# Altium PCB Hat_Zero2SenseRunner.PcbDoc
Units mil, origin at the board's own origin, x right, y up, seen from the top; angles counter-clockwise.
Board outline 2082.83 x 2357.79 mil, 2 copper layers (Top Layer, Bottom Layer); 20 components, 24 nets, 136 pads, 13 vias.
Unrouted connection lines stored in the file: 65.
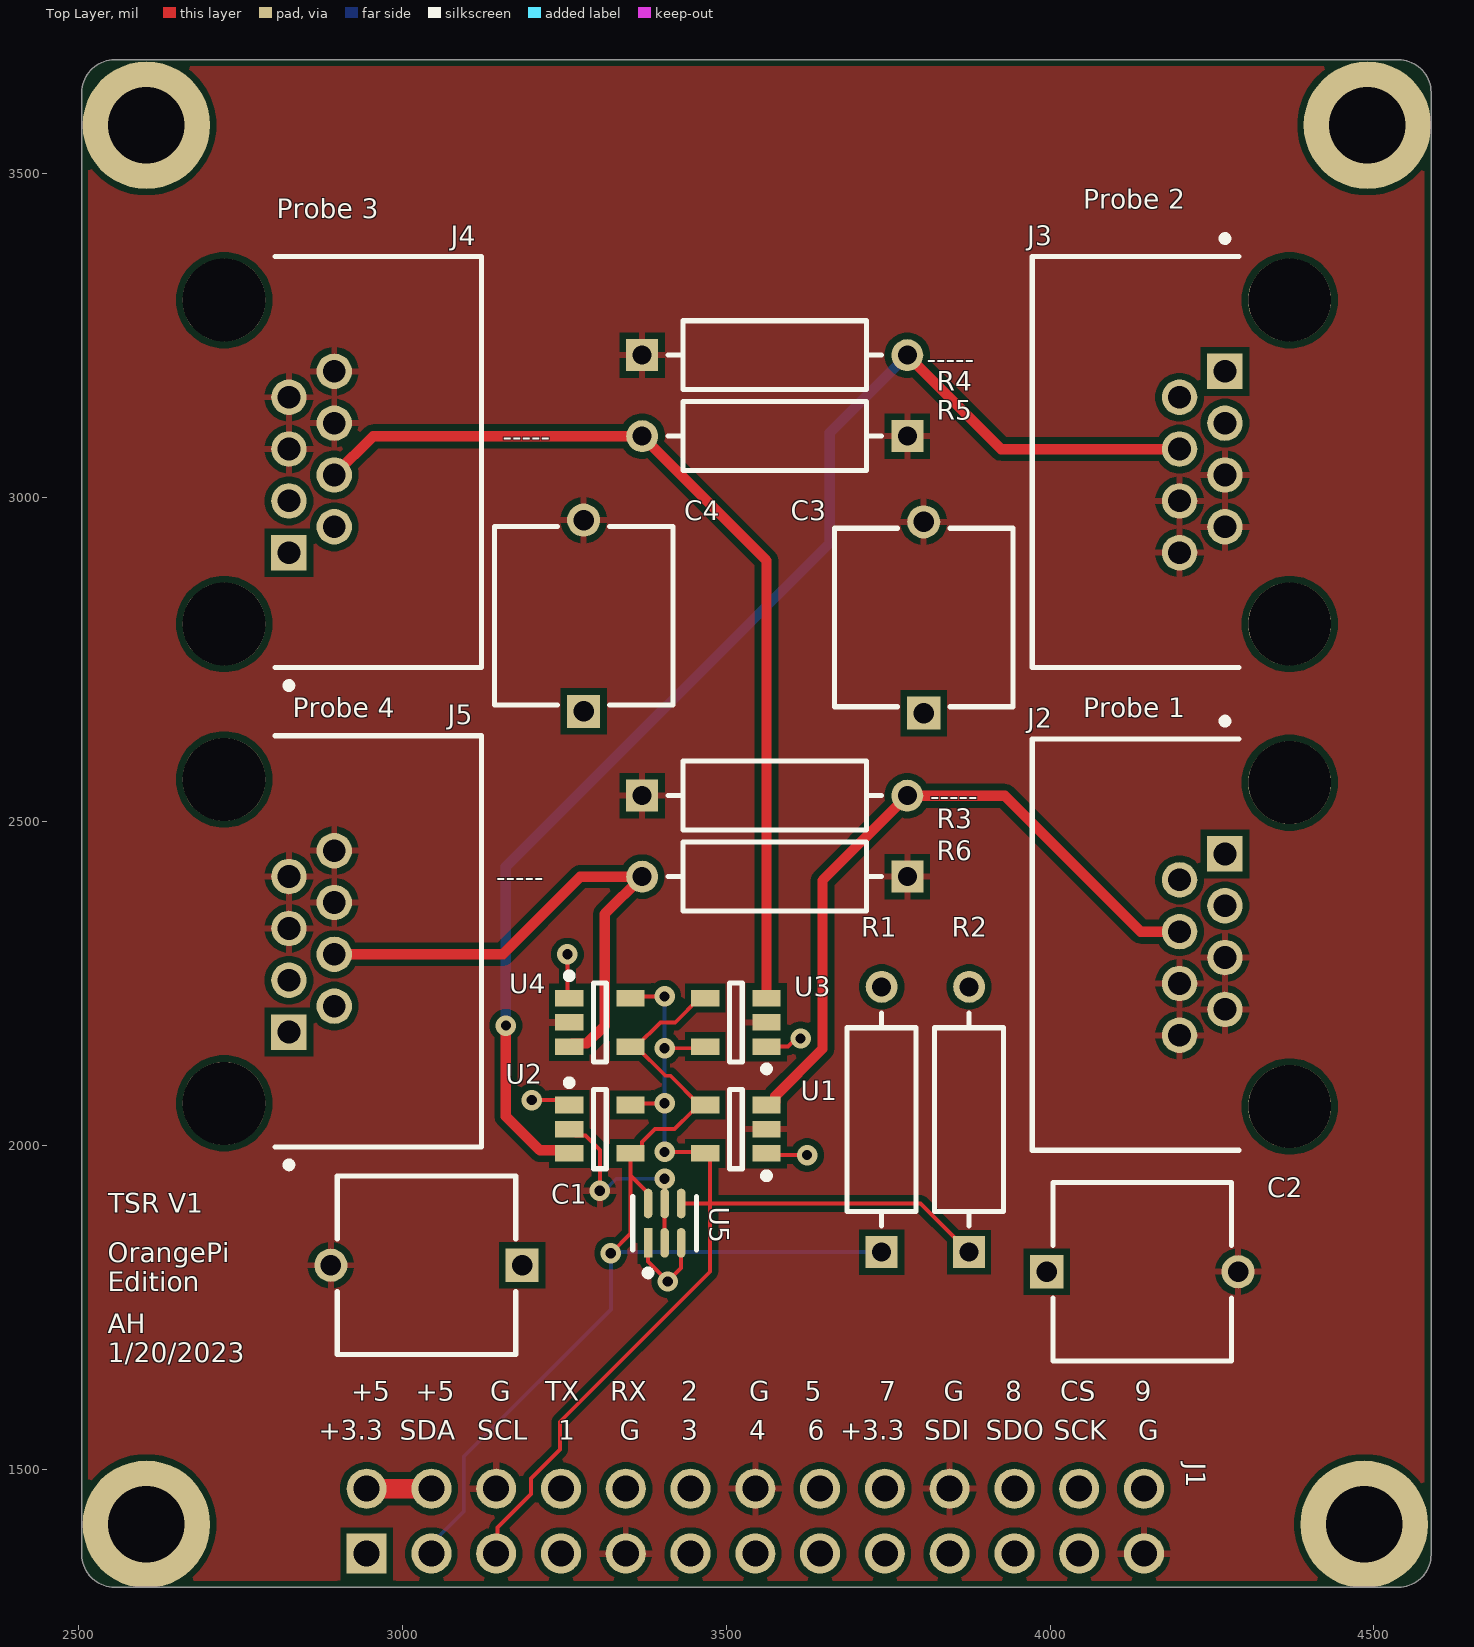
[diagram p0: Top Layer view]
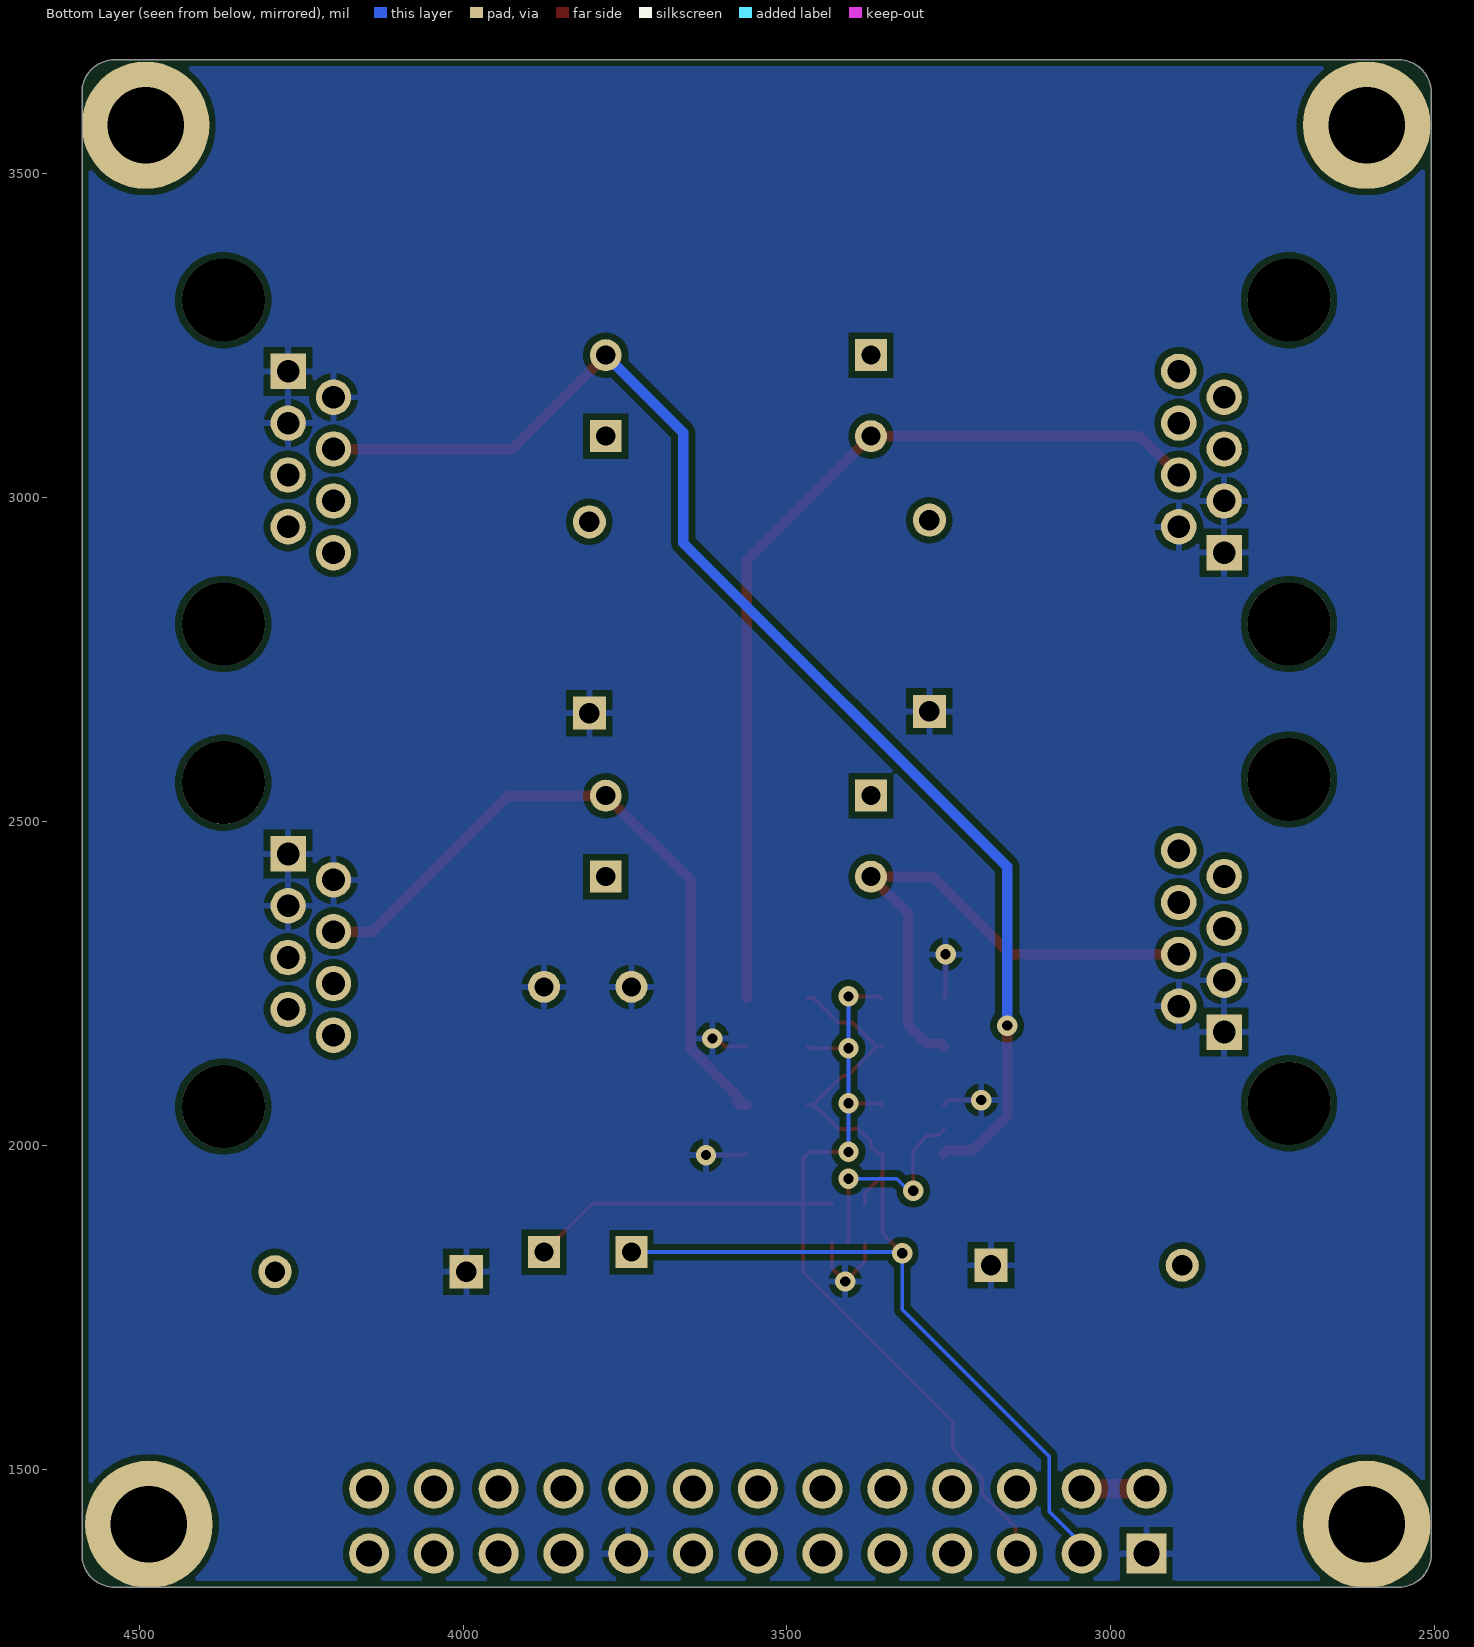
[diagram p1: Bottom Layer view, seen from below]
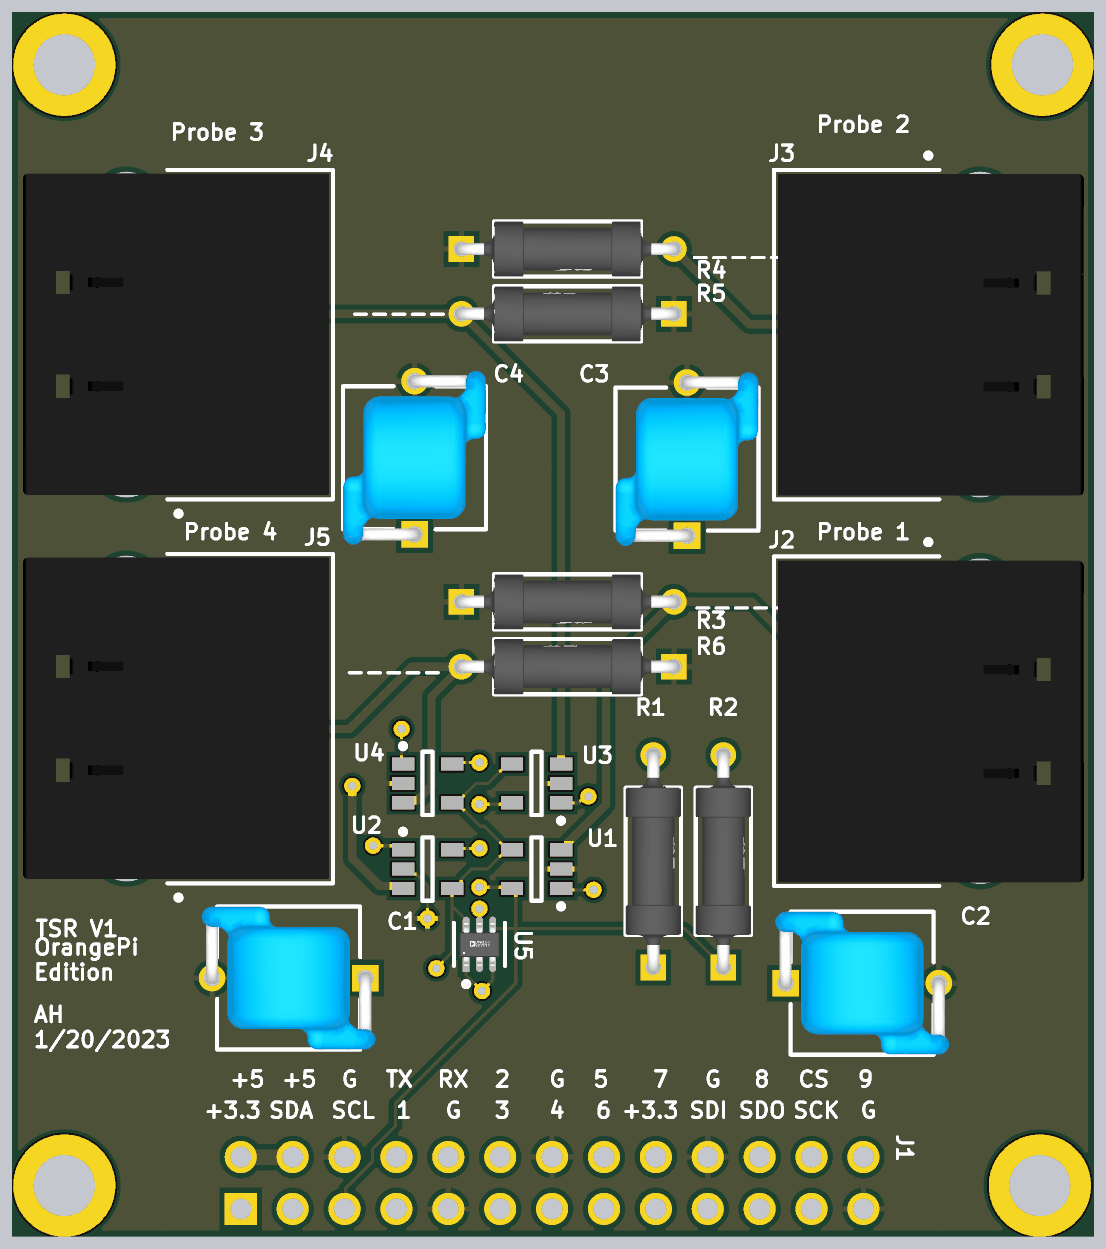
[diagram p2: 3D render of the assembled board from above, using the file's embedded part models]

## Layer stack, top to bottom
Top Solder: solder mask 0.4, Solder Resist, Dk 3.5
Top Layer: signal copper 1.4
Dielectric 1: dielectric 12.6, FR-4, Dk 4.8
Bottom Layer: signal copper 1.4
Bottom Solder: solder mask 0.4, Solder Resist, Dk 3.5

## Board outline
2505.4,1368.03 ccw(c2555.4,1368.03) 2555.4,1318.03 4538.23,1318.03 ccw(c4538.23,1368.03) 4588.23,1368.03 4588.23,3625.82 ccw(c4538.23,3625.82) 4538.23,3675.82 2555.4,3675.82 ccw(c2555.4,3625.82) 2505.4,3625.82

## Design rules (kind name [scope] priority, off if disabled: settings)
BoardOutlineClearance [All] p1: gap=10 ignorepadtopadclearanceinfootprint=FALSE except(0: Arc-SplitContinuation Track-SplitContinuation SMDPad-SplitContinuation THPad-SplitContinuation Via-SplitContinuation Fill-SplitContinuation Poly-SplitContinuation Region-SplitContinuation Text-SplitContinuation)
Clearance [All] p1: gap=10 ignorepadtopadclearanceinfootprint=FALSE except(0: Arc-Hole Track-Hole SMDPad-Hole THPad-Hole Via-Hole Fill-Hole Poly-Hole Region-Hole Text-Hole)
HoleSize [All] p1: absolutevalues=TRUE maxlimit=1000 minlimit=11.81 maxpercent=80.000 minpercent=20.000
MinimumSolderMaskSliver [All] p1: minsoldermaskwidth=2
PolygonConnect [All] p1: connectstyle=Relief reliefconductorwidth=10 reliefentries=4 polygonreliefangle="90 Angle" airgapwidth=10
RoutingVias [All] p1: holewidth=15.75 width=31.5 viastyle="Through Hole" minholewidth=11.81 minwidth=23.62 maxholewidth=39.37 maxwidth=393.7
SilkToSilkClearance [All] p1 off: silktosilkclearance=2
SilkToSolderMaskClearance [IsPad] p1: minsilkscreentomaskgap=4 clearancetoexposedcopper=TRUE
SolderMaskExpansion [All] p1: expansion=4 istentingtop=FALSE
Width [All] p1: maxlimit=60 minlimit=6 preferedwidth=6
26 further rules are at their usual default settings.

## Components (designator, comment, footprint, x,y, rotation, side; value= is the part's Value field where it differs from the comment)
C1 "0.1uF" FP-DE6_D7_T7_F7_5_d0_6-0-MFG 3037.36,1815 r180 top
C2 "10uF" FP-DE6_D7_T7_F7_5_d0_6-0-MFG 4142.64,1805 r0 top
C3 "0.1uF" FP-DE6_D7_T7_F7_5_d0_6-0-MFG 3805,2815 r90 top
C4 "0.1uF" FP-DE6_D7_T7_F7_5_d0_6-0-MFG 3280,2817.64 r90 top
J1 "1-215-307-3" 26PIN 3545,1420 r0 top
J2 "RJHSE-5080" FP-RJHSE-5080-MFG 4275,2310 r90 top
J3 "RJHSE-5080" FP-RJHSE-5080-MFG 4275,3055 r90 top
J4 "RJHSE-5080" FP-RJHSE-5080-MFG 2820,3055 r270 top
J5 "RJHSE-5080" FP-RJHSE-5080-MFG 2820,2315 r270 top
R1 "4K RES" FP-H8-MFG 3740,2040 r90 top
R2 "4K RES" FP-H8-MFG 3875,2040 r90 top
R3 "33K RES" FP-H8-MFG 3575,2540 r0 top
R4 "33K RES" FP-H8-MFG 3575,3220 r0 top
R5 "33K RES" FP-H8-MFG 3575,3095 r180 top
R6 "33K RES" FP-H8-MFG 3575,2415 r180 top
U1 "MCP3221A0T-E/OT" SOT-23-OT5_N 3515,2025 r180 top
U2 "MCP3221A1T-E/OT" SOT-23-OT5_N 3305,2025 r0 top
U3 "MCP3321A2T-E/OT" SOT-23-OT5_N 3515,2190 r180 top
U4 "MCP3221A7T-E/OT" SOT-23-OT5_N 3305,2190 r0 top
U5 "LTC4311" FP-SC6-6-05-08-1638-IPC_C 3405,1880 r90 top

## Footprints (in the part's own frame and the unit in brackets; to place one, negate y for a bottom-side part, rotate by r counter-clockwise, add the part's x,y. Pads: shape width x height; smd on the part's side, far side on the other; paste and mask are expansions set on the pad)
26PIN [mm]
  rect 1.57x1.57 hole 1.02 paste-1000 mask+0: 1(-15.24,-1.27)
  round 1.57 hole 1.02 paste-1000 mask+0: 2(-15.24,1.27) 3(-12.7,-1.27) 4(-12.7,1.27) 5(-10.16,-1.27) 6(-10.16,1.27) 7(-7.62,-1.27) 8(-7.62,1.27) 9(-5.08,-1.27) 10(-5.08,1.27) 11(-2.54,-1.27) 12(-2.54,1.27) 13(0,-1.27) 14(0,1.27) 15(2.54,-1.27) 16(2.54,1.27) 17(5.08,-1.27) 18(5.08,1.27) 19(7.62,-1.27) 20(7.62,1.27) 21(10.16,-1.27) 22(10.16,1.27) 23(12.7,-1.27) 24(12.7,1.27) 25(15.24,-1.27) 26(15.24,1.27)
FP-DE6_D7_T7_F7_5_d0_6-0-MFG [mm]
  rect 1.3x1.3 hole 0.8 paste-1000 mask+0: 1(-3.75,0)
  round 1.3 hole 0.8 paste-1000 mask+0: 2(3.75,0)
  silkscreen extent -3.5,-3.5 3.5,3.5, body extent -4.25,-3.5 4.25,3.5, height 9
FP-H8-MFG [mm]
  rect 1.25x1.25 hole 0.75 paste-1000 mask+0: 1(-5.2,0)
  round 1.25 hole 0.75 paste-1000 mask+0: 2(5.2,0)
  silkscreen extent -4.18,-1.35 4.18,1.35, body extent -5.92,-1.45 5.92,1.45, height 0.25
FP-RJHSE-5080-MFG [mm]
  rect 1.39x1.39 hole 0.89 paste-1000 mask+0: 1(3.556,0.127)
  round 1.39 hole 0.89 paste-1000 mask+0: 2(2.54,1.905) 3(1.524,0.127) 4(0.508,1.905) 5(-0.508,0.127) 6(-1.524,1.905) 7(-2.54,0.127) 8(-3.556,1.905)
  round 3.25 hole 3.25 unplated paste-1000 mask+0: ""(-6.35,-2.413) ""(6.35,-2.413)
  silkscreen extent -8.06,-0.41 8.89,7.68, body extent -8.16,-7.78 8.16,7.78, height 0.25
FP-SC6-6-05-08-1638-IPC_C [mm]
  rect 1.164x0.336 smd paste+0 mask+0: 1(-0.77,0.65)
  rrect100% 1.164x0.336 smd paste+0 mask+0: 2(-0.77,0) 3(-0.77,-0.65) 4(0.77,-0.65) 5(0.77,0) 6(0.77,0.65)
  silkscreen extent -2.07,-1.25 1.05,1.25, body extent -1.45,-1.1 1.45,1.1, height 0.25
SOT-23-OT5_N [mm] "SOT23, 5-Leads, Body 2.9x1.7mm, Pitch 0.95mm, Lead Span 2.8mm, IPC Medium Density"
  rect 1.1x0.65 smd: 1(-1.2,0.95) 2(-1.2,0) 3(-1.2,-0.95) 4(1.2,-0.95) 5(1.2,0.95)
  silkscreen extent -1.33,-1.55 0.25,1.95, body extent -0.9,-1.55 0.9,1.55, height 1.45

## Part data
C1 C3 C4: library part CMP-06035-062244-1, "CAP CER 0.1uF", Case/Package=Radial, Max Operating Temperature=125°C, Min Operating Temperature=-25°C, Package Quantity=700, Part Number="ANY 0.1uF CAP", Ratings=AEC-Q200, Resistor Type=Ceramic, Tolerance=20%, Voltage Rating (AC)=300V, Capacitance=0.1uF, Depth=7mm, Height - Seated (Max)=0.394inch, Lead Diameter=0.6mm, Lead Pitch=7.5mm, Lead/Base Style="Formed Leads", Material=Ceramic, Mount="Through Hole", Packaging=Bulk, REACH SVHC="No SVHC", Series=KJ, Termination=Radial, Width=7mm
C2: library part CMP-06035-062244-1, "CAP CER 10uF", Case/Package=Radial, Max Operating Temperature=125°C, Min Operating Temperature=-25°C, Package Quantity=700, Part Number="ANY 10uF CAP", Ratings=AEC-Q200, Resistor Type=Ceramic, Tolerance=20%, Voltage Rating (AC)=300V, Capacitance=10uF, Depth=7mm, Height - Seated (Max)=0.394inch, Lead Diameter=0.6mm, Lead Pitch=7.5mm, Lead/Base Style="Formed Leads", Material=Ceramic, Mount="Through Hole", Packaging=Bulk, REACH SVHC="No SVHC", Series=KJ, Termination=Radial, Width=7mm
J1: library part CMP-25680-000025-1, "CONN HDR 26POS", Color=Black, Package Quantity=1, Connector Type=Header, Contact Plating=Gold, Lead Free="Lead Free", Mount="Through Hole", Number of Positions=40, Number of Rows=2, Packaging=Tray, Pitch=0.1inch, Row Spacing=0.1inch, Termination=Solder
J2 J3 J4 J5: library part CMP-02366-000003-1, "CONN MOD JACK 8P8C R/A UNSHLD", Current Rating=1.5A, Manufacturer=Amphenol, Package=CONN_MOD_JACK, Temperature="-55°C to +85°C", Temperature Range High=+85°C, Temperature Range Low=-55°C, Voltage Rating=125V, Automotive=No, Category=Conn, ComponentLink2Description=Datasheet, ComponentLink2URL=https://cdn.amphenol-icc.com/media/wysiwyg/files/documentation/datasheet/inputoutput/io-modjack-rjhse.pdf, Conn Gender=Female, Conn Orientation="Right Angle", Contact Material=Gold,Nickel, Device Class L1=Connectors, Device Class L2="Modular / Ethernet Connectors", Device Class L3=unset, Digikey Description="CONN MOD JACK 8P8C R/A UNSHLD", Footprint Url=https://cdn.amphenol-icc.com/media/wysiwyg/files/drawing/rjhse5080.pdf?__cf_chl_jschl_tk__=e349db0bbbb6188a39347cd5e541b92fa02c9719-1587748343-0-AW7tChdeHzRPLX9gSWj7WrKaXQoY9BsmT9Ek0h-T62M9y3Rs9iypFcOtkzb-6sGYQEjFE-jcoNciDETCOZrh1rYyOesac5SvYLoLwHIsHvF4AKBlx-MXmfZUVk9OTTJLqyQq2qMm0PFRLJpNcK0nrKResqOniRSYixG2sPTmOPraH-ULJFBDL602CHqcI9KKBgTq90Jh1OL2Td4moJ99rFsJRJ1Tk_uoxGe8ublcP_ARu-uLpWcQrBcwOcHDTAwL29DAwVaqcH7ta8Ks7WMlHmVl_pILeEDwT0bE9vu5Pa5S3PtNRF1leuFkgi_FMbUxTDulc5xzbXSfng8srUIV1lWXny5nx1fZJEUa_w97yKjffzBMxiWLWVN-V7-uqAaPbyv_m-wRyw5O25OZNyJOeGU, Height=0.535inch, Is Female=yes, Manufacturer Part Number=RJHSE-5080, Mouser Description="Modular Connectors / Ethernet Connectors R/A RJ45 NONSHIELDED 8 CONT NO LEDS", Number Of Contacts=8, Octopart=https://octopart.com/rjhse-5080-amphenol-45060, Part Number=RJHSE-5080, Pitch=1.02mm, RoHS=TRUE
R1 R2: library part CMP-03212-000005-1, "RES 4K", Case/Package=Axial, Max Operating Temperature=155°C, Max Power Dissipation=250mW, Min Operating Temperature=-55°C, Number of Resistors=1, Package Quantity=250, Part Number="ANY 4K RESISTOR", Resistance=4K, Resistance Tolerance=0.1%, Resistor Type="Thin Film", Temperature Coefficient=15ppm/°C, Voltage Rating=350V, Diameter=2.5mm, ELV=Compliant, Lead Diameter=0.6mm, Lead Length=30mm, Lead/Base Style=Axial, Length=7.2mm, Mount=Axial, Number of Terminations=2, Packaging=Bulk, Power Rating=250mW, REACH SVHC="No SVHC", RoHS Compliant=Yes, Series="Holco, Holsworthy", Technology="METAL FILM", Termination=Axial, Voltage Rating (DC)=350V, Weight=0.008466oz
R3 R4 R5 R6: library part CMP-03212-000005-1, "RES 33K", Case/Package=Axial, Max Operating Temperature=155°C, Max Power Dissipation=250mW, Min Operating Temperature=-55°C, Number of Resistors=1, Package Quantity=250, Part Number="ANY RES - RSET", Resistance=33K, Resistance Tolerance=0.1%, Resistor Type="Thin Film", Temperature Coefficient=15ppm/°C, Voltage Rating=350V, Diameter=2.5mm, ELV=Compliant, Lead Diameter=0.6mm, Lead Length=30mm, Lead/Base Style=Axial, Length=7.2mm, Mount=Axial, Number of Terminations=2, Packaging=Bulk, Power Rating=250mW, REACH SVHC="No SVHC", RoHS Compliant=Yes, Series="Holco, Holsworthy", Technology="METAL FILM", Termination=Axial, Voltage Rating (DC)=350V, Weight=0.008466oz
U1 U2 U3: library part CMP-0188-00714-2, "Low Power 12-Bit A/D Converter With I2C Interface, 5-Pin SOT-23, Extended Temperature, Tape and Reel", Code_IPC=SOT23-5, ComponentLink1Description="Manufacturer URL", ComponentLink1URL=http://www.microchip.com/, ComponentLink2Description=Datasheet, ComponentLink2URL=http://ww1.microchip.com/downloads/en/DeviceDoc/21732c.pdf, ComponentLink3Description="Package Specification", ComponentLink3URL=http://www.microchip.com/stellent/groups/techpub_sg/documents/packagingspec/en012702.pdf, PackageDescription="5-Lead Plastic Small Outline Transistor (OT) [SOT-23]", PackageReference=SOT-23-OT5, PackageVersion="revBB, Aug-2009", RevisionNote="URLs added."
  U1: DatasheetVersion=MCP3321A0T-E/OT
  U2: DatasheetVersion=MCP3321A1T-E/OT
  U3: DatasheetVersion=MCP3321A2T-E/OT
U4: library part CMP-0188-00714-2, "Low Power 12-Bit A/D Converter With I2C Interface, 5-Pin SOT-23, Extended Temperature, Tape and Reel", Part Number=MCP3321A7T-E/OT, Code_IPC=SOT23-5, ComponentLink1Description="Manufacturer URL", ComponentLink1URL=http://www.microchip.com/, ComponentLink2Description=Datasheet, ComponentLink2URL=http://ww1.microchip.com/downloads/en/DeviceDoc/21732c.pdf, ComponentLink3Description="Package Specification", ComponentLink3URL=http://www.microchip.com/stellent/groups/techpub_sg/documents/packagingspec/en012702.pdf, PackageDescription="5-Lead Plastic Small Outline Transistor (OT) [SOT-23]", PackageReference=SOT-23-OT5, PackageVersion="revBB, Aug-2009", RevisionNote="URLs added."
U5: library part CMP-09093-000080-1, "IC ACCELERATOR I2C 1CH SC70-6", Case/Package=SC, Max Operating Temperature=70°C, Min Operating Temperature=0°C, Operating Supply Current=300uA, Package Quantity=1, Lead Free="Lead Free", Mount="Surface Mount", Number of Pins=70, Packaging="Tape and Reel", Part Number=LTC4311, Radiation Hardening=No, Series=-

## Free pads (board coordinates)
  round 19.68 on Mech7: 1(2769.26,2296.86) 1(3135.71,2887.46) 1(3214.22,2296.86) 1(3959.38,2327.35)
  round 22.04 on Mech7: 1(2855.68,2395.97) 1(2904.38,2382.47) 1(2926.28,2406.27) 1(2939.78,1590.07) 1(3113.22,2501.26) 1(3120.53,2477.02) 1(3121.38,2388.87) 1(3126.38,2360.03) 1(3341.18,2391.57) 1(3363.58,2392.07) 1(3420.58,2325.17) 1(3424.68,1557.97) 1(3441.68,2326.97) 1(3476.68,2388.97) 1(3708.68,1575.97)
  round 35.16 on Mech7: 1(3031.62,3432.13)
  round 196.85 hole 118.11: ""(2605,1415) ""(2605,3575) ""(4485,1415) ""(4490,3575)

## Via types
v1: diameter 31.5, hole 15.75, Top Layer to Bottom Layer, 13 vias

## Nets (pads, with @x,y where several pads share a name; then routed paths per layer and width w, separated by ;. In a path a pad name is that pad's centre, name@x,y a point inside that pad or via, vN(x,y) a via of type N, cw(c..) or ccw(c..) an arc to the next point about the centre after c; other vN are vias at no path point)
+3.3: C1.1 C2.1 C3.1 C4.1 J1.1 J1.17 J2.1 J2.2 J2.3 J3.1 J3.2 J3.3 J4.1 J4.2 J4.3 J5.1 J5.2 J5.3 R1.2 R2.2 U1.1 U2.1 U3.1 U4.1 U5.1 U5.3 | length 391.9
  Top Layer w6: v1(3200,2070) 3250.16,2070 U2.1 ; v1(3255,2295) 3255,2230.16 U4.1 ; U5.1 3379.41,1820.59 v1(3410,1790) 3430.59,1810.59 U5.3 ; U1.1 3564.84,1985 v1(3625,1985) ; U3.1 3595.7,2152.6 3608.1,2165 v1(3615,2165)
+5: J1.2 J1.4 | length 100
  Top Layer w30: J1.2 J1.4
GND: C1.2 C2.2 C3.2 C4.2 J1.6 J1.9 J1.14 J1.20 J1.25 J2.5 J2.6 J2.7 J2.8 J3.5 J3.6 J3.7 J3.8 J4.5 J4.6 J4.7 J4.8 J5.5 J5.6 J5.7 J5.8 R3.1 R4.1 R5.1 R6.1 U1.2 U2.2 U3.2 U4.2 U5.2 U5.5 | length 330.1
  Top Layer w6: U2.2 3267.55,2015.2 3282.98,2015.2 3305,1993.19 v1(3305,1930) ; U5.2 U5.5 v1(3405,1948.5)
  Bottom Layer w6: v1(3305,1930) 3311.9,1930 3330.4,1948.5 v1(3405,1948.5)
MISO: J1.21
MOSI: J1.19
PC5: J1.13
PC6: J1.11
PC7: J1.22
PC8: J1.15
PC9: J1.7
PC10: J1.26
PC11: J1.12
PC14: J1.18
PC15: J1.16
Rtherm_0: J2.4 R3.2 U1.3 | length 1080.1
  Top Layer w16: U1.3 3571.1,2062.4 3575.9,2067.2 3575.9,2076.06 3648.75,2148.91 3648.75,2409.02 R3.2 3930,2540 4140,2330 J2.4
Rtherm_1: J3.4 R4.2 U2.3 | length 2033.6
  Top Layer w16: v1(3160,2185) 3160,2045 3212.61,1992.39 3252.96,1992.39 U2.3 ; R4.2 3924.72,3075 J3.4
  Bottom Layer w16: v1(3160,2185) 3160,2430 3660,2930 3660,3100.28 R4.2
Rtherm_2: J4.4 R5.2 U3.3 | length 1447.2
  Top Layer w16: J4.4 2955,3095 R5.2 3562.24,2903.03 U3.3
Rtherm_3: J5.4 R6.2 U4.3 | length 847.2
  Top Layer w16: J5.4 3155,2295 3275,2415 R6.2 3312.59,2357.31 3312.59,2184.93 3285.05,2157.39 3262.55,2157.39 U4.3
SCK: J1.23
SCL: J1.5 R2.1 U1.5 U2.5 U3.5 U4.5 U5.4 | length 1705.2
  Top Layer w6: J1.5 3147,1372 3147,1409.91 3198.79,1461.7 3198.79,1485.89 3243.35,1530.44 3243.35,1573.35 3475,1805 3475,1910.32 ; U2.5 3354.84,2065 v1(3405,2065) ; U4.5@3355.1,2227.4 3357.7,2230 v1(3405,2230) ; v1(3405,1990) 3465.35,1990 U1.5 3475,1980.35 3475,1910.32 ; v1(3405,2150) 3465.16,2150 U3.5 ; U5.4 3475,1910.32 ; R2.1 3799.96,1910.32 3475,1910.32
  Bottom Layer w6: v1(3405,1990) v1(3405,2065) v1(3405,2150) v1(3405,2230)
SDA: J1.3 R1.1 U1.4 U2.4 U3.4 U4.4 U5.6 | length 1642.6
  Top Layer w6: v1(3321.97,1833.59) 3352.24,1863.87 3352.24,1953.79 ; U4.4 U4.4@3361.1,2152.6 ; U5.6 3379.41,1926.62 3352.24,1953.79 ; U1.4 U1.4@3458.9,2062.4 ; U3.4 3458.9,2227.4 3421.5,2190 3398.5,2190 U4.4@3361.1,2152.6 ; 3352.24,1953.79 U2.4 3360.04,1987.6 3369.83,1997.39 3369.83,2005.19 3389.89,2025.24 3420.24,2025.24 3447.61,2052.61 3449.1,2052.61 U1.4@3458.9,2062.4 ; U4.4@3361.1,2152.6 3406.2,2107.5 3413.8,2107.5 U1.4@3458.9,2062.4
  Bottom Layer w6: J1.3 3045,1385 3095,1435 3095,1520 3321.97,1746.97 v1(3321.97,1833.59) ; v1@3329.72,1835.28 R1.1
SPI_CS: J1.24
UART_RX: J1.10
UART_TX: J1.8
pads on no net: J2. J3. J4. J5.

## Polygon pours and split planes (outlines as drawn)
+3.3 on Bottom Layer "+3.3_L02_P001" (solid, pour order 1): 2325,3755 4710,3755 5020,3445 4720,3145 4720,1215 4640,1135 4500,1275 2380,1275
GND on Top Layer "GND_L01_P000" (solid, pour order 0): 2415,3795 2450,3760 5020,3760 4690,3430 4690,1320 4565,1195 4550,1210 2345,1210

## Silkscreen, mask and mechanical layers (free items; w line width, h text height)
Top Overlay:
  text "Probe 2" at 4051,3446 h30
  text "Probe 3" at 2806,3431 h30
  text "-----" at 3810,3200 h30
  text "-----" at 3155,3080 h30
  text "Probe 4" at 2831,2661 h30
  text "Probe 1" at 4051,2661 h30
  text "-----" at 3815,2525 h30
  text "-----" at 3145,2400 h30
  text "TSR V1" at 2546,1896 h30
  text "OrangePi / Edition" at 2545,1775 h30
  text "AH / 1/20/2023" at 2545,1665 h30
  text "+5" at 2921,1606 h30
  text "+5" at 3021,1606 h30
  text "G" at 3136,1606 h30
  text "TX" at 3221,1606 h30
  text "RX" at 3321,1606 h30
  text "2" at 3431,1606 h30
  text "G" at 3536,1606 h30
  text "5" at 3621,1606 h30
  text "7" at 3736,1606 h30
  text "G" at 3836,1606 h30
  text "8" at 3931,1606 h30
  text "CS" at 4016,1606 h30
  text "9" at 4131,1606 h30
  text "+3.3" at 2871,1546 h30
  text "SDA" at 2996,1546 h30
  text "SCL" at 3116,1546 h30
  text "1" at 3241,1546 h30
  text "G" at 3336,1546 h30
  text "3" at 3431,1546 h30
  text "4" at 3536,1546 h30
  text "6" at 3626,1546 h30
  text "+3.3" at 3676,1546 h30
  text "SDI" at 3806,1546 h30
  text "SDO" at 3901,1546 h30
  text "SCK" at 4006,1546 h30
  text "G" at 4136,1546 h30
Mechanical 1:
  lines w0.5: 3154.99,2867.97 3194.36,2867.97 ; 3174.68,2848.28 3174.68,2887.66
Mechanical 3:
  drawing of 1363 lines, arcs and shapes, not listed
  text "ZERO2 V1.3" at 2938.58,2399.83 h25
  text "UD2" at 3262.45,2334.62 h25
  text "TX" at 3810.68,1785.63 h25
  text "RX" at 3809.68,1747.63 h25
  text "GND" at 3795.68,1710.63 h25
Mechanical 7:
  drawing of 1028 lines, arcs and shapes, not listed
Mechanical 8:
  drawing of 2481 lines, arcs and shapes, not listed
Mechanical 9:
  text "CON5" at 4267.68,3597.34 h25
  text "C349" at 4268.68,3565.63 h25
  text "R457" at 3797.58,3551.47 h25
  text "C330" at 4027.68,3542.64 h25
  text "R408" at 4128.88,3543.04 h25
  text "R454" at 3875.68,3538.64 h25
  text "C175" at 2935.46,3523.16 h25 r315
  text "R235" at 3348.78,3516.14 h25
  text "R403" at 3272.68,3514.54 h25
  text "C211" at 3489,3511.36 h25 r90
  text "R404" at 3596.37,3511.36 h25 r90
  text "R406" at 3669.67,3511.36 h25 r90
  text "R228" at 3525.37,3509.63 h25 r90
  text "R229" at 3561.73,3509.63 h25 r90
  text "R452" at 4129.88,3510.04 h25
  text "R405" at 3631.58,3509.06 h25 r90
  text "R407" at 3705.46,3509.06 h25 r90
  text "R450" at 3740.68,3508.48 h25 r90
  text "R225" at 3775.31,3508.48 h25 r90
  text "C410" at 3020.92,3498.43 h25 r45
  text "ANT1" at 2762.78,3496.74 h25
  text "R451" at 4093.71,3472.37 h25 r90
  text "C216" at 4123.52,3469.87 h25 r90
  text "R125" at 3204.92,3459.27 h25 r90
  text "R234" at 3296.28,3447.74 h25
  text "R453" at 3872.68,3434.64 h25
  text "U60" at 2724.68,3427.64 h25
  text "C411" at 2821.93,3424.43 h25 r45
  text "U54" at 3659.08,3400.54 h25
  text "R236" at 3224.48,3394.74 h25
  text "R127" at 3126.01,3375.97 h25 r90
  text "R126" at 3156.01,3374.97 h25 r90
  text "C220" at 3337.69,3366.97 h25 r90
  text "R238" at 3224.98,3365.44 h25
  text "C348" at 3774.11,3355.47 h25 r90
  text "R240" at 3226.37,3336.13 h25
  text "R230" at 3226.66,3300.05 h25
  text "R246" at 3751.92,3272.27 h25 r90
  text "R233" at 3226.37,3265.7 h25
  text "R253" at 3228.11,3229.05 h25
  text "C221" at 3280.02,3144.97 h25 r90
  text "X4" at 3464.35,3126.64 h25
  text "L19" at 3251.68,3109.64 h25
  text "C346" at 3748.02,3075.97 h25 r90
  text "CS22" at 3285.02,3022.97 h25 r90
  text "C347" at 3602.68,2985.64 h25
  text "XS1" at 3406.07,2957.45 h25
  text "CS27" at 3516.02,2922.97 h25 r90
  text "RS7" at 3698.71,2917.69 h25 r90
  text "RS6" at 3664.09,2916.82 h25 r90
  text "CS26" at 3734.5,2915.91 h25 r90
  text "U1" at 3283.56,2910.68 h25
  text "R140" at 2943.74,2869.81 h25
  text "CN3" at 3714.99,2837.63 h25
  text "R434" at 2945.48,2830.76 h25
  text "R136" at 2943.74,2793.82 h25
  text "C90133" at 2554.68,2789.97 h25 r90
  text "CP19" at 4250.69,2785.97 h25 r90
  text "CP17" at 4280.69,2783.97 h25 r90
  text "R436" at 2946.21,2757.44 h25
  text "RW54" at 2645.73,2738.03 h25 r90
  text "R144" at 2718.74,2738.31 h25 r90
  text "R141" at 2750.5,2738.31 h25 r90
  text "RW53" at 2680.94,2737.16 h25 r90
  text "R166" at 2787.82,2736.58 h25 r90
  text "R147" at 2860.54,2736.58 h25 r90
  text "R139" at 2897.2,2736.29 h25 r90
  text "R458" at 2931.61,2735.97 h25 r90
  text "R138" at 2823.32,2735.43 h25 r90
  text "RW4" at 2946.05,2727.88 h25
  text "D7" at 2575.68,2717.63 h25
  text "R131" at 2664.68,2696.63 h25
  text "RW5" at 2946.36,2695.75 h25
  text "RW1" at 2948.67,2663.34 h25
  text "LP1" at 3880.34,2650.36 h25
  text "LP2" at 4032.68,2648.63 h25
  text "RW2" at 2946.9,2630.9 h25
  text "CP12" at 4261.02,2604.97 h25 r90
  text "R132" at 2658.68,2603.63 h25
  text "RW3" at 2946.68,2599.63 h25
  text "L15" at 2947.68,2568.63 h25
  text "TD1" at 3088.68,2546.63 h25
  text "D8" at 2571.86,2517.04 h25
  text "TD4" at 3090.68,2515.63 h25
  text "LP3" at 3818.68,2452.64 h25
  text "TD104" at 2748.78,2381.13 h25
  text "TD41" at 3394.19,2380.55 h25
  text "TD14" at 3253.98,2378.83 h25
  text "TD32" at 3490.01,2378.52 h25
  text "TD7" at 3152.38,2361.53 h25
  text "TD15" at 2750.98,2349.13 h25
  text "TD5" at 3327.98,2349.03 h25
  text "TD31" at 3395.8,2347.56 h25
  text "CD40" at 3547.44,2341.29 h25
  text "TP5" at 4349.34,2338.08 h25
  text "J11" at 4421.49,2336.93 h25
  text "TD3" at 2885.08,2335.83 h25
  text "UD1" at 2997.98,2335.83 h25
  text "TD10" at 3152.68,2330.63 h25
  text "CP26" at 4331.68,2305.77 h25
  text "LP4" at 4042.27,2285.56 h25
  text "CD37" at 2700.85,2273.12 h25 r90
  text "CP27" at 4294.87,2269.4 h25
  text "CP29" at 3891.49,2235.77 h25 r90
  text "LP5" at 4151.64,2210.18 h25 r90
  text "CP21" at 4000.69,2145.67 h25 r90
  text "CD38" at 2703.98,2144.62 h25 r90
  text "DH2" at 4251.08,2140.1 h25
  text "RP28" at 3904.88,2113.14 h25
  text "CP23" at 4057.05,2104.33 h25
  text "CD39" at 2705.13,2066.69 h25 r90
  text "UH1" at 4263.34,2062.17 h25
  text "CD9" at 2703.98,1994.3 h25 r90
  text "UH2" at 4262.18,1957.12 h25
  text "RP14" at 3966.68,1907.04 h25
  text "R9" at 3900.58,1903.03 h25
  text "JH1" at 4446.68,1890.63 h25
  text "J3" at 3853.88,1833.83 h25
  text "DU1" at 4069.12,1831.07 h25 r90
  text "DU2" at 4101.45,1829.97 h25 r90
  text "CD12" at 3020.39,1735.99 h25
  text "CD11" at 3612.78,1735.73 h25
  text "CD27" at 3231.38,1703.13 h25
  text "RP21" at 3891.61,1694.37 h25 r90
  text "RD12" at 3222.27,1662.85 h25 r90
  text "RD13" at 3186.48,1662.28 h25 r90
  text "Q1" at 3788.68,1645.63 h25
  text "RD1" at 3262.19,1627.51 h25 r90
  text "RD7" at 3594.61,1602.37 h25 r90
  text "CD7" at 3307.74,1599.49 h25 r90
  text "RD2" at 3342.96,1598.91 h25 r90
  text "CD8" at 3382.79,1599.49 h25 r90
  text "RD14" at 3701.72,1591.77 h25 r90
  text "TD69" at 3436.47,1572.59 h25 r90
  text "TD23" at 2947.37,1572.47 h25
  text "R10" at 3734.08,1570.84 h25
  text "CU2" at 4445.78,1548.63 h25
  text "RU3" at 4505.68,1547.64 h25
  text "P1" at 4229.11,1538.02 h25.2
  text "R455" at 3480.68,1535.64 h25
  text "R456" at 3554.68,1535.64 h25
  text "TD105" at 3639.18,1532.03 h25
  text "CON4" at 2897.61,1522.63 h25
  text "CU3" at 4461.75,1518.73 h25
  text "RU2" at 4505.68,1518.64 h25
  text "UU1" at 4298.35,1512.64 h25
  text "RP27" at 2730.08,1421.27 h25
  text "R152" at 2807.68,1410.63 h25
  text "R151" at 2808.88,1379.73 h25
Board Outline:
  lines w0.5: 2505.4,1368.03 ccw(c2555.4,1368.03) 2555.4,1318.03 4538.23,1318.03 ccw(c4538.23,1368.03) 4588.23,1368.03 4588.23,3625.82 ccw(c4538.23,3625.82) 4538.23,3675.82 4155.16,3675.82 2555.4,3675.82 ccw(c2555.4,3625.82) 2505.4,3625.82 2505.4,1368.03